# KiCad board haptic display 8x8 aisler.kicad_pcb (continued)
## Routing (per net, layer and track width the routed paths; a pad name or vN(x,y) marks a point on that pad's centre or on a via; arc(x,y) is an arc through that point) (continued)
row1: length 304.2
  Back w0.25: 140,82.49 140,122.9 132.5,130.4 REF**#121.2 133.65,130.75 ; 140,82.49 J2.1 ; 140,82.49 140,112.9 133.65,119.25 REF**#128.1
  Back w0.5: REF**#2.1 REF**#128.1 ; REF**.2 REF**#121.2
row2: length 278.3
  Back w0.25: 138.92,79.93 138.92,98.98 133.65,104.25 REF**#38.1 ; 138.92,79.93 J2.2 ; 138.92,79.93 138.92,110.48 133.65,115.75 REF**#87.2
  Back w0.5: REF**#10.2 REF**#87.2 ; REF**#3.1 REF**#38.1
row3: length 252.6
  Back w0.25: 138.57,77.74 J2.3 ; 138.57,77.74 138.57,84.33 133.65,89.25 REF**#39.1 132.5,88.9 ; 138.57,77.74 138.57,93.18 132.5,99.25 REF**#88.2
  Back w0.5: REF**#11.2 REF**#88.2 ; REF**#4.1 REF**#39.1
row4: length 232.8
  Back w0.25: REF**#40.1 139.52,74.25 J2.4 138.22,75.55 138.22,78.53 132.5,84.25 REF**#89.2
  Back w0.5: REF**#12.2 REF**#89.2 ; REF**#5.1 REF**#40.1
row5: length 231.6
  Back w0.25: 132.5,60.75 REF**#41.1 132.5,59.6 133.63,60.73 133.63,68.12 132.5,69.25 REF**#90.2 139.52,70.75 J2.5
  Back w0.5: REF**#13.2 REF**#90.2 ; REF**#6.1 REF**#41.1
row6: length 244.4
  Back w0.25: J2.6 136,64.69 136,60 ; REF**#42.1 132.5,44.6 136,48.1 136,60 ; 136,60 136,58.1 133.65,55.75 REF**#91.2 132.5,56.19
  Back w0.5: REF**#14.2 REF**#91.2 ; REF**#7.1 REF**#42.1
row7: length 261.8
  Back w0.25: 132.5,30.75 REF**#43.1 133.65,29.25 137.6,33.2 137.6,47.2 ; 132.5,41.1 REF**#92.2 133.65,40.75 137.6,44.7 137.6,47.2 ; 137.6,47.2 137.6,63.75 J2.7
  Back w0.5: REF**#15.2 REF**#92.2 ; REF**#8.1 REF**#43.1
row8: length 275.6
  Back w0.25: REF**#93.2 133.65,25.75 140,32.1 140,34.4 ; J2.8 140,34.4 ; REF**#44.1 133.65,14.25 140,20.6 140,34.4
  Back w0.5: REF**#16.2 REF**#93.2 ; REF**#9.1 REF**#44.1

## Text on the board
B.SilkS: c8 c7 c6 c5 c4 c3 c2 c1 | r8 r7 r6 r5 r4 r3 r2 r1
F.SilkS: haptic display 8x8 v1
